# Allegro board BeagleBone_Green_Wireless_V1.0.brd (continued)
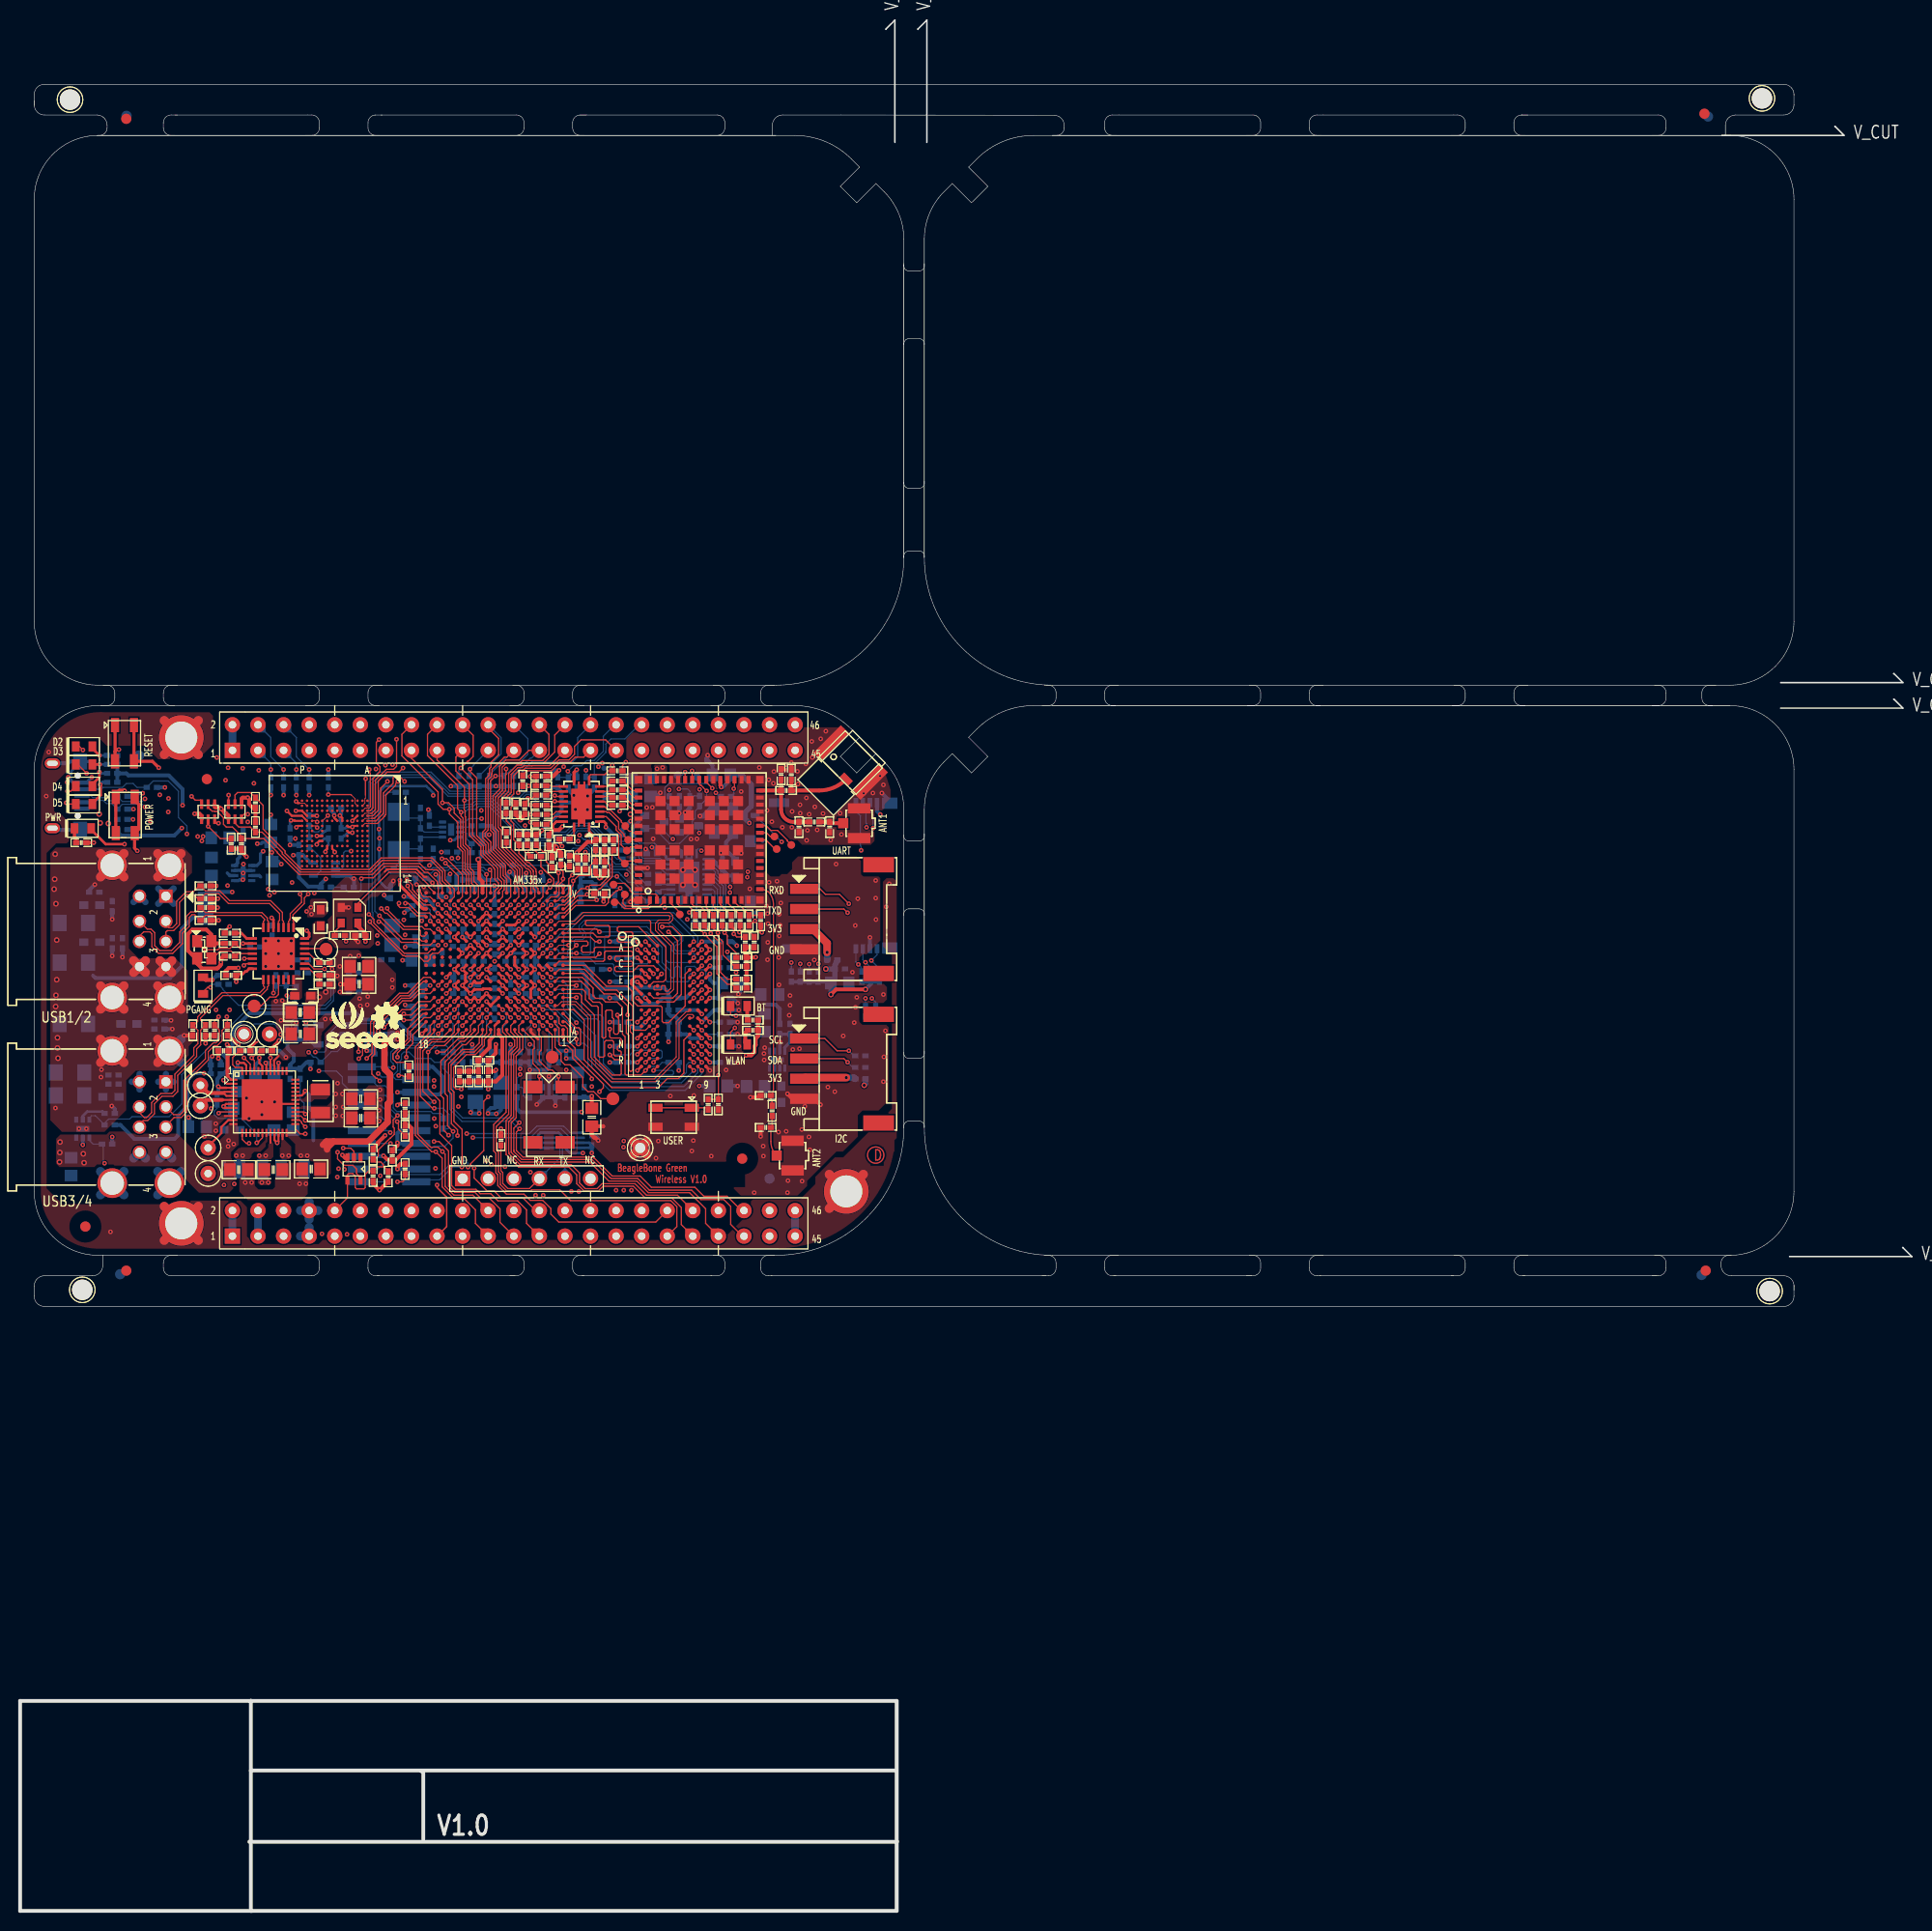
[diagram p0: board, top side]
## Copper pours and planes (outline as drawn; the poured copper is in the pictures) (continued)
DGND on BOTTOM: 10.34,109.63 11.07,109.63 11.35,109.35 11.89,109.35 12.37,109.83 12.37,110.26 13.03,110.92 13.06,110.92 13.21,111.07 13.21,111.91 13.31,112.01 14.33,112.01 15.34,111 15.34,107.82 14.66,107.14 10.49,107.14 10.34,107.29
DGND on BOTTOM: 24.13,97.21 27.79,97.21 28.14,96.85 28.14,95.05 27.89,94.79 27.89,93.09 27.38,92.58 24.59,92.58 23.99,93.18 23.99,95.08 23.47,95.61 23.47,96.55
DGND on BOTTOM: 8.92,95.94 10.29,95.94 10.92,95.3 14.86,95.3 15.19,94.97 15.19,93.55 14.76,93.12 9.02,93.12 8.41,93.73 8.41,95.43
DGND on BOTTOM: 20.95,81.19 20.95,80.87 21.29,80.54 22.05,80.54 22.35,80.24 22.35,78.51 22.48,78.38 22.48,78.33 23.94,78.33 24.51,78.91 25.53,78.91 25.78,79.16 25.78,79.79 26.54,79.79 26.54,79.54 26.8,79.29 27.43,79.29 27.69,79.54 27.69,81.71 27.66,81.74 27.66,81.79 27.18,82.27 27.18,82.91 27.05,83.03 26.67,83.03 26.16,82.52 26.16,82.02 26.04,81.89 24.87,81.89 24.64,81.66 24.64,80.94 23.88,80.94 23.88,81.66 23.67,81.86 22.86,81.86 22.73,81.74 22.73,80.94 21.97,80.94 21.97,81.58 21.77,81.79 21.03,81.79 20.95,81.71 20.95,81.56 20.96,81.55 20.96,81.2
DGND on BOTTOM: 9.09,82.02 8.97,81.89 8.43,81.89 8.28,82.04 7.95,82.04 7.7,82.3 7.7,83.69 7.85,83.85 8.66,83.85 9.09,83.41
DGND on BOTTOM: 43.33,95.71 43.56,95.48 43.56,94.84 43.31,94.59 43.31,94.21 42.67,94.21 42.67,94.26 42.52,94.41 42.52,94.46 42.29,94.69 42.29,94.72 42.09,94.92 41.68,94.92 41.66,94.95 41.66,95.48 41.91,95.73 41.91,96.39 42.09,96.57 42.09,96.93 42.19,97.03 42.62,97.03 42.72,97.13 42.72,97.89 42.77,97.94 43.21,97.94 43.33,97.82
DGND on BOTTOM: 21.29,105.97 20.22,105.97 20.12,106.07 20.12,108.46 20.14,108.48 19.41,109.22 19.41,109.98 19.81,110.39 22.99,110.39 24.03,109.35 24.03,105.94 23.42,105.33 23.42,104.9 22.4,103.89 22.4,98.91 20.9,97.41 19.86,97.41 19.41,97.87 19.41,100.71 19.58,100.89 21.31,100.89 21.44,101.02 21.44,101.63 21.01,102.06 21.01,102.36 21.13,102.49 21.84,102.49 21.89,102.54 21.89,104.5 22.61,105.21 22.61,106.81 22.38,107.04 21.59,107.04 21.34,106.78 21.34,106.02
DGND on BOTTOM: 60.35,111.35 63.58,111.35 63.7,111.23 63.7,110.11 62.56,108.97 62.56,108.69 62.59,108.66 62.59,108.64 62.43,108.48 61.7,108.48 61.59,108.59 61.59,108.97 60.1,110.46 60.1,111.1
DGND on BOTTOM: 8.33,92.3 16.1,92.3 16.87,91.54 16.87,85.14 15.82,84.1 14.1,84.1 13.74,84.46 13.74,86.89 14.02,87.17 14.02,89.03 13.64,89.41 10.06,89.41 10.01,89.36 8.31,89.36 7.67,89.99 7.67,91.64
DGND on BOTTOM: 32.26,95.81 34.67,95.81 35.56,94.92 35.99,94.92 36.12,94.79 36.12,94.26 35.86,94.01 33.43,94.01 32.97,93.55 32.97,91.03 32.74,90.81 31.7,90.81 31.29,91.21 31.29,94.84
DGND on BOTTOM: 7.39,111.86 4.6,111.86 4.45,112.01 4.45,112.7 5.28,113.54 5.28,114.88 5.54,115.14 7.16,115.14 7.57,114.73 7.57,112.04
DGND on BOTTOM: 2.87,105.74 9.8,105.74 10.52,105.03 10.52,103.45 8.71,101.65 5.77,101.65 4.55,100.43 4.55,84.3 4.29,84.05 4.29,83.59 4.32,83.57 4.32,78.61 4.9,78.03 7.01,78.03 7.14,77.9 7.14,77.55 6.96,77.37 4.14,77.37 4.11,77.39 3.51,77.39 3.1,76.99 3.1,74.22 3.68,73.63 4.34,73.63 4.39,73.69 8.25,73.69 8.79,74.22 8.79,77.06 9.02,77.29 9.88,77.29 10.97,76.2 15.24,76.2 16.08,75.36 16.08,73.13 16.15,73.05 16.15,71.73 15.14,70.71 4.17,70.71 2.54,72.34 2.54,105.41
DGND on BOTTOM: 58.62,73.41 58.06,73.96 58.06,75.62 57.02,76.66 56.59,76.66 56.49,76.76 56.49,78.87 57.39,79.77 57.39,81.09 57,81.48 53.92,81.48 53.16,82.25 53.16,84.58 53.77,84.58 54.1,84.25 55.55,84.25 58.62,81.18 69.14,81.18 69.65,81.69 69.65,82.85 69.55,82.96 69.55,83.34 70.03,83.82 70.03,90.91 70,90.93 70.51,91.44 70.69,91.44 70.69,92.91 70.05,93.55 70.05,96.19 70.13,96.27 70.13,96.65 69.9,96.88 68.33,96.88 68.2,96.75 67.82,96.75 67.22,97.35 67.22,97.55 66.69,98.08 66.31,98.08 64.97,99.42 55.68,99.42 54.56,98.3 53.26,98.3 53.09,98.48 53.09,99.11 53.16,99.19 53.75,99.19 54,99.44 54,99.47 54.03,99.47 54.38,99.82 56.06,99.82 56.16,99.92 57.45,99.92 57.66,100.13 57.66,100.15 57.63,100.18 57.63,100.33 57.81,100.51 58.24,100.51 58.52,100.23 59.74,100.23 59.75,100.24 60.27,100.24 60.44,100.41 61.57,100.41 62.05,99.92 64.47,99.92 64.82,100.28 65.1,100.28 65.25,100.43 65.25,104.22 65.41,104.37 65.66,104.37 65.68,104.34 65.84,104.34 65.96,104.47 65.96,104.98 66.14,105.16 66.78,105.16 66.95,104.98 66.95,104.47 67.16,104.27 67.46,104.27 67.59,104.14 67.59,101.24 67.41,101.07 67.34,101.07 67.31,101.09 67.03,101.09 66.9,100.97 66.9,100.51 66.1,99.71 66.1,99.17 66.29,98.98 66.29,98.96 66.52,98.73 67.49,98.73 68.71,97.51 70.31,97.51 72.5,95.31 72.5,86.41 72.8,86.12 72.8,86.11 72.87,86.03 74.27,86.03 74.57,85.73 74.57,84.94 74.63,84.89 75.16,84.89 75.29,85.01 75.29,85.8 75.36,85.88 75.57,85.88 75.67,85.78 75.67,84.96 75.74,84.89 76.02,84.89 76.1,84.96 76.23,84.96 76.28,85.01 76.28,85.5 76.84,86.06 76.84,87.53 76.68,87.68 76.33,87.68 76.31,87.69 76.14,87.69 75.97,87.86 75.97,90.02 75.64,90.35 74.83,90.35 74.63,90.55 74.63,99.09 74.75,99.21 74.37,99.59 71.98,99.59 71.91,99.67 71.91,101.45 72.64,102.18 72.64,104.19 72.29,104.55 70.46,104.55 70.05,104.14 69.6,104.14 69.39,104.34 69.39,104.44 69.06,104.78 69.04,104.78 67.97,105.84 67.97,108.18 67.77,108.38 67.34,108.38 67.21,108.51 67.21,109.02 67.54,109.35 67.64,109.35 67.89,109.6 67.89,109.75 67.92,109.75 68.87,110.71 68.86,110.72 68.86,111.33 68.02,112.17 68.02,113.03 67.67,113.39 67.67,117.04 68.83,118.21 78.99,118.21 79.95,117.26 80.01,117.26 80.58,116.69 81.15,116.69 84.61,113.23 85.06,113.69 85.5,113.06 86.1,111.73 86.41,111.1 87.07,108.05 87.07,95.07 87.05,95.05 87.05,80.8 81.46,75.21 79.02,75.21 77.75,73.94 73.74,73.94 73.25,74.42 73.25,77.14 73.71,77.6 77.24,77.6 76.94,77.9 76.94,84 76.66,84.28 75.82,84.28 75.64,84.1 75.64,83.44 75.54,83.34 75.31,83.34 75.23,83.41 75.23,84.15 75.13,84.25 73.84,84.25 72.77,83.19 72.77,80.86 72.64,80.73 71.13,80.73 69.19,78.79 69.19,75.06 67.54,73.41
DGND on LYR2_GND: 87.12,77.83 83.59,69.29 75.06,65.76 7.75,65.76 3.71,67.43 2.03,71.48 2.03,113.39 3.71,117.43 7.75,119.1 75.06,119.1 75.22,119.1 75.39,119.1 78.13,118.62 81.36,117.3 81.92,116.71 81.92,116.43 85.69,112.66 87.1,107.52 87.12,107.16
DGND on LYR3: 3.53,105.64 16.23,105.64 17.07,104.8 17.07,103.12 15.9,101.96 11.58,101.96 10.79,101.17 10.79,95.61 11.76,94.64 15.42,94.64 16.66,93.4 16.66,88.44 17.4,87.71 17.4,84.58 16.28,83.46 11.48,83.46 10.93,82.92 10.93,77.3 11.43,76.81 15.72,76.81 16.15,76.38 16.15,74.78 15.85,74.47 13.31,74.47 12.56,73.72 12.56,71.23 12.14,70.82 4.67,70.82 3,72.49 3,105.08 3.53,105.61
DGND on LYR3: 46.52,101.82 46.74,101.6 47.24,101.6 47.37,101.73 47.37,106.27 46.86,106.78 46.86,108.92 46.2,109.58 45.39,109.58 45.06,109.25 45.06,106.53 46.38,105.21 46.38,104.04 45.82,103.48 45.82,102.29 46.29,101.82
DGND on LYR3: 26.42,84.68 27.81,83.29 27.81,82.91 28.83,81.89 28.83,80.37 27.1,78.64 27.1,77.22 25.91,76.02 25.4,76.02 25.15,76.28 25.15,76.5 24.38,77.27 24,77.27 23.94,77.2 22.59,77.2 19.25,80.54 19.25,82.5 19.79,83.03 22.86,83.03 23.88,84.05 23.88,84.18 24.38,84.68
DGND on LYR3: 68.07,100.99 71.6,97.46 71.6,85.83 70.59,84.81 70.59,83.54 70.36,83.31 69.75,83.31 69.55,83.52 69.29,83.52 69.04,83.26 69.04,81.61 68,80.57 56.97,80.57 56.39,81.15 56.39,81.99 56.52,82.12 57,82.12 57.61,81.51 57.61,81.41 57.96,81.05 66.17,81.05 67.95,82.83 67.95,95.35 63.55,99.75 57.96,99.75 57.61,100.1 57.61,100.33 57.81,100.53 58.39,100.53 58.85,100.99
DGND on LYR3: 78.82,103.63 75.34,107.11 74.4,107.11 72.82,108.69 72.82,116.36 74.55,118.08 81.28,118.08 85.6,113.77 85.6,112.9 85.98,112.52 85.98,109.98 85.73,109.73 85.14,109.73 83.13,107.72 83.13,105.38 81.38,103.63 ; 1 cut-out
DGND on LYR4: 77.42,103.78 72.39,108.81 69.19,108.81 68.58,108.2 62.99,108.2 61.52,109.68 61.52,111.63 58.83,114.33 58.83,116.84 59.05,117.07 77.6,117.07 78.49,117.96 79.81,117.96 81.23,117.27 82.37,116.54 85.12,113.51 85.93,112.19 85.93,109.98 83.36,107.42 83.36,105.36 81.79,103.78
DGND on LYR5_PWR: 32.26,73 39.62,73 40.77,71.86 40.77,69.95 41.02,69.7 61.98,69.7 62.61,70.33 62.61,80.85 62.94,81.18 67.61,81.18 68.94,82.5 68.94,83.06 69.44,83.57 69.44,95.96 68.45,96.95 68.25,96.95 64.77,100.43 61.47,100.43 61.01,99.97 56.46,99.97 55.96,100.48 55.96,105.59 55.42,106.12 54.84,106.12 52.6,108.36 51.31,108.36 49.38,110.29 48.36,110.29 48.01,110.64 48.01,118.14 48.44,118.57 77.72,118.57 77.72,118.21 78.49,117.45 78.74,117.45 78.8,117.51 80.45,117.51 85.6,112.37 85.6,109.22 85.57,109.19 85.57,104.19 85.29,103.91 85.29,93.65 86,92.94 86,85.95 85.62,85.57 85.62,76.56 84.1,75.03 79.83,75.03 78.44,73.63 78.44,67.87 76.96,66.4 25.27,66.4 24.89,66.78 24.89,70.33 25.91,71.35 30.61,71.35
GND_EARTH on TOP: 80.9,74.85 81.74,74.85 86.56,79.68 86.56,94.92 85.67,95.81 85.67,102.24 86.03,102.59 86.72,102.59 87.05,102.26 87.05,76.78 86.82,76.56 86.82,75.46 86.74,75.39 82.76,68.55 75.34,65.84 75.29,65.79 7.77,65.79 3.78,67.38 2.06,71.32 2.06,113.51 4.11,117.64 8.48,119.08 18.8,119.08 19.15,118.72 19.15,115.87 17.68,114.4 13.72,114.4 12.37,115.75 8.61,115.75 7.87,116.48 4.93,116.48 4.83,116.38 4.83,113.39 3.38,111.94 3.38,109.27 3.53,109.12 3.89,109.12 4.85,108.15 4.85,106.27 4.62,106.05 3.58,106.05 2.63,105.09 2.63,71.77 4.19,70.21 15.39,70.21 15.75,70.56 21.87,70.56 22.53,69.9 22.53,67.01 23.29,66.24 29.64,66.24 30.05,66.65 69.72,66.65 72.57,69.49 72.57,70.48 72.76,70.68 77.43,70.68 78.97,72.21 78.97,72.92
GND_EARTH on BOTTOM: 79.3,74.85 81.74,74.85 86.56,79.68 86.56,79.71 86.59,79.68 87.05,79.68 87.05,76.78 86.82,76.56 86.82,75.46 86.74,75.39 82.76,68.55 75.34,65.84 75.29,65.79 7.77,65.79 3.78,67.38 2.06,71.32 2.06,113.51 4.11,117.64 8.48,119.08 18.8,119.08 19.15,118.72 19.15,115.87 17.68,114.4 13.72,114.4 12.37,115.75 8.1,115.75 7.04,114.68 7.04,113.54 6.73,113.23 4.67,113.23 4.32,112.88 4.32,108.94 5.03,108.23 6.55,108.23 6.73,108.05 6.73,106.38 6.4,106.05 2.74,106.05 2.34,105.64 2.34,72.06 4.19,70.21 15.39,70.21 17.27,72.09 18.52,72.09 20.04,70.56 21.87,70.56 22.53,69.9 22.53,67.01 23.29,66.24 26.67,66.24 26.82,66.09 30.05,66.09 30.61,66.65 69.72,66.65 72.57,69.49 72.57,70.48 73.03,70.94 77.29,70.94 78.41,72.06 78.41,73.96
GND_EARTH on LYR3: 79.3,74.85 81.74,74.85 86.56,79.68 86.56,93.9 86.5,93.97 86.5,95.71 85.78,96.43 85.78,105.41 86.18,105.82 86.18,107.16 86.13,107.21 86.13,109.3 86.26,109.42 86.54,109.42 86.82,109.14 86.82,107.31 87.1,107.04 87.1,94.89 87.05,94.84 87.05,76.78 86.82,76.56 86.82,75.46 86.74,75.39 82.76,68.55 75.34,65.84 75.29,65.79 7.77,65.79 3.78,67.38 2.06,71.32 2.06,113.51 4.11,117.64 8.48,119.08 18.8,119.08 19.15,118.72 19.15,115.87 17.68,114.4 13.72,114.4 12.37,115.75 8.1,115.75 8.09,115.74 5.88,115.74 5.18,115.04 5.18,113.74 4.32,112.88 4.32,108.94 5.03,108.23 5.08,108.23 5.05,108.2 5.05,106.48 4.62,106.05 2.74,106.05 2.34,105.64 2.34,72.06 4.19,70.21 15.39,70.21 16.14,70.95 18.1,70.95 19.23,69.82 19.23,67.26 20.24,66.24 29.64,66.24 30.05,66.65 69.72,66.65 72.57,69.49 72.57,70.48 73.03,70.94 77.29,70.94 78.41,72.06 78.41,73.96
GND_EARTH on LYR4: 79.3,74.85 81.74,74.85 86.56,79.68 86.56,95.45 86.22,95.8 86.09,95.8 85.57,96.32 85.57,100.23 85.93,100.58 85.93,109.12 86.13,109.32 86.54,109.32 86.79,109.07 86.79,107.98 87.05,107.72 87.05,76.78 86.82,76.56 86.82,75.46 86.74,75.39 82.76,68.55 75.34,65.84 75.29,65.79 7.77,65.79 3.78,67.38 2.06,71.32 2.06,113.51 4.11,117.64 8.48,119.08 18.8,119.08 19.15,118.72 19.15,115.87 17.68,114.4 13.72,114.4 12.37,115.75 8.1,115.75 7.04,114.68 7.04,113.54 6.73,113.23 4.67,113.23 4.32,112.88 4.32,107.11 3.76,106.55 3.76,106.35 2.79,105.38 2.79,72.82 5.41,70.21 15.39,70.21 15.77,70.59 17.14,70.59 19.81,67.92 20.93,67.92 21.59,67.26 22.53,67.26 22.53,67.01 23.29,66.24 29.64,66.24 30.05,66.65 69.72,66.65 72.57,69.49 72.57,70.48 73.03,70.94 77.29,70.94 78.41,72.06 78.41,73.96
GND_OSC0 on BOTTOM: 39.42,103.91 39.22,104.11 36.02,104.11 35.89,104.24 35.89,110.24 35.81,110.31 35.99,110.49 41.2,110.49 41.68,110.01 41.68,109.93 42.8,108.81 43.08,108.81 43.1,108.79 44.04,108.79 44.45,109.19 46.43,109.19 47.6,108.03 47.6,105.51 46.23,104.14 44.55,104.14 43.9,104.79 43.9,105.42 43.71,105.61 41.78,105.61 41.2,105.03 40.69,105.03 40.46,104.8 40.46,104.42 39.95,103.91 ; 1 cut-out
GND_OSC1 on TOP: 49.66,75.29 49.91,75.03 55.12,75.03 55.37,75.29 55.37,82.91 54.48,83.79 53.72,83.79 52.45,85.06 52.45,86.97 51.56,87.86 50.29,87.86 50.16,87.73 50.16,85.32 49.53,84.68 49.53,83.79 49.66,83.67
VDD_1V8 on TOP: 26.07,84.47 25.6,84.94 25.6,85.09 26.57,86.06 27.64,86.06 28.17,86.59 28.17,87.73 28.3,87.86 28.5,87.86 28.52,87.83 28.68,87.99 29.11,87.99 30.28,89.15 30.81,89.15 30.84,89.18 31.11,89.18 31.34,88.95 31.34,88.42 29.9,86.97 29.9,85.67 29.08,84.86 26.92,84.86 26.53,84.47
VDD_1V8 on BOTTOM: 38.48,98.86 38.53,98.91 38.53,98.96 38.81,99.24 39.19,99.24 39.37,99.06 39.37,98.4 39.8,97.97 41.58,97.97 41.81,97.74 41.81,97.54 41.55,97.28 40.46,97.28 40.41,97.33 37.46,97.33 37.26,97.13 36.17,97.13 35.81,96.77 35.81,95.89 35.71,95.78 34.98,95.78 34.51,96.25 34.51,96.84 34.49,96.85 34.49,97.82 34.82,98.15 35.51,98.15 36.22,98.86
VDD_1V8 on LYR3: 41.68,97.38 37.54,97.38 37.39,97.54 37.39,98.5 37.77,98.88 38.2,98.88 38.73,99.42 40.08,99.42 40.34,99.67 41.4,99.67 41.81,99.26 41.81,97.51
VDD_1V8 on LYR4: 31.29,88.19 31.7,88.6 31.7,90.53 33.2,92.02 34.09,92.02 34.52,92.46 34.52,93.85 36.27,95.61 36.27,96.98 36.08,97.17 34.73,97.17 34.57,97 34.57,95.07 33.2,93.7 31.37,93.7 30.63,92.96 30.63,90.65 30.05,90.07 30.05,88.34 30.2,88.19
VDD_1V8 on LYR4: 47.12,90.27 46.86,90.02 43.05,90.02 42.8,90.27 42.8,93.57 42.55,93.83 41.4,93.83 41.15,94.08 41.15,99.42 41.4,99.67 43.94,99.67 44.2,99.92 44.2,100.38 44.58,100.76 46.53,100.76 47.12,100.18 47.12,94.84 46.74,94.46 46.74,94.21 47.12,93.83
VDD_1V8 on LYR5_PWR: 46.1,79.1 46.1,90.4 46.23,90.53 48.13,90.53 48.26,90.4 48.26,85.57 48.64,85.19 50.29,85.19 50.55,84.94 50.55,79.1 50.29,78.84 46.35,78.84
VDD_1V8_WIFI on BOTTOM: 73,88.6 74.37,88.6 74.7,88.93 74.7,89.64 74.68,89.66 74.68,90.09 74.19,90.58 74.19,97.92 73.41,98.7 72.31,98.7 71.65,99.36 71.65,101.6 72.54,102.49 72.54,103.33 72.31,103.56 70.51,103.56 70.23,103.28 70.23,102.57 70.59,102.21 70.71,102.21 70.97,101.96 70.97,101.19 70.61,100.84 70.61,99.31 72.54,97.38 72.54,95.91 72.8,95.66 72.8,88.8
VDD_3V3_WIFI on TOP: 63.04,113.87 64.06,113.87 64.24,113.69 64.24,112.19 64.08,112.04 63.07,112.04 62.99,112.12 62.99,113.61 62.92,113.69 62.92,113.74
VDD_3V3_WIFI on BOTTOM: 56.77,108.94 56.9,109.07 56.9,110.03 59.06,112.2 59.06,113.73 59.25,113.92 64.24,113.92 64.44,113.72 64.44,113.08 63.25,111.89 60.22,111.89 59.49,111.15 59.49,110.34 60.02,109.8 60.58,109.8 60.99,109.4 60.99,108.86 60.39,108.27 54.9,108.27 54.05,107.42 53.7,107.42 53.44,107.67 53.44,108.15 54.23,108.94
VDD_3V3_WIFI on LYR4: 57.81,110.46 60.32,110.46 61.19,109.6 61.19,109.09 60.66,108.56 60.35,108.56 60.22,108.43 60.22,107.57 61.09,106.71 62.61,106.71 63.37,105.94 63.37,105.41 62.51,104.55 61.29,104.55 57.58,108.25 57.58,110.24
VDD_3V3A on BOTTOM: 42.16,94.36 42.16,94.21 42.42,93.95 43.05,93.95 43.31,93.7 43.31,92.68 42.8,92.68 42.8,93.07 42.42,93.45 41.91,93.45 41.66,93.7 40.49,93.7 40.11,94.08 40.11,95.07 40.18,95.15 41.17,95.15 41.25,95.07 41.25,94.77 41.45,94.56 41.96,94.56
VDD_3V3A on BOTTOM: 49.53,98.15 51.43,98.15 51.69,98.4 51.69,100.3 52.15,100.77 52.15,101.57 51.95,101.78 50.04,101.78 49.89,101.63 49.89,100.79 49.66,100.56 49.66,98.78 49.4,98.53 49.4,98.27
VDD_3V3A on BOTTOM: 43.69,101.57 43.69,100.94 43.31,100.56 43.31,98.4 43.56,98.15 44.7,98.15 44.83,98.27 44.83,98.4 44.45,98.78 44.45,100.69 44.16,100.98 44.16,101.57
VDD_3V3A on BOTTOM: 39.98,96.39 41.63,96.39 41.81,96.57 41.81,96.93 42.04,97.16 42.44,97.16 42.57,97.28 42.57,97.66 42.42,97.82 42.19,97.82 41.76,97.38 41.76,97.31 41.63,97.18 41.48,97.18 41.4,97.1 39.98,97.1 39.85,96.98 39.85,96.52
VDD_3V3A on LYR5_PWR: 22.99,76.81 22.73,77.06 22.73,89.13 24.51,90.91 25.27,90.91 29.84,95.48 29.84,102.34 30.86,103.35 34.8,103.35 35.86,104.42 35.86,110.06 36.22,110.41 42.27,110.41 42.85,109.83 49.35,109.83 51.23,107.95 52.53,107.95 54.58,105.89 55.07,105.89 55.65,105.31 55.65,100.36 55.24,99.95 55.24,99.92 54.99,99.67 51.94,99.67 51.56,99.29 51.56,96.62 50.55,95.61 50.55,94.59 50.29,94.34 43.94,94.34 43.43,93.83 43.43,93.45 43.31,93.32 42.04,93.32 41.78,93.07 41.78,92.43 42.04,92.18 43.31,92.18 43.56,91.92 43.56,91.67 42.55,90.65 42.55,90.02 42.8,89.76 44.2,89.76 44.45,90.02 44.45,90.4 44.58,90.53 45.72,90.53 45.85,90.4 45.85,78.97 46.23,78.59 50.29,78.59 50.55,78.33 50.55,70.71 50.29,70.46 41.27,70.46 41.02,70.71 41.02,76.43 40.64,76.81
VDD_3V3B on BOTTOM: 58.6,111.89 57.68,111.89 57.15,112.42 57.15,114.05 57.48,114.38 58.42,114.38 58.7,114.1 58.7,111.99
VDD_3V3B on BOTTOM: 19.43,107.29 17.37,107.29 17.25,107.16 17.25,104.22 17.48,103.99 20.7,103.99 21.21,104.5 21.21,105.38 20.83,105.77 19.68,105.77 19.56,105.89 19.56,107.16
VDD_3V3B on LYR5_PWR: 20.13,66.4 19.49,67.03 19.49,69.57 17.91,71.16 14.1,71.16 11.56,68.62 5.21,68.62 3.3,70.52 3.3,113.39 4.6,116.53 7.75,117.83 12.19,117.83 12.51,117.51 12.51,115.29 14.1,113.7 17.91,113.7 19.49,115.29 19.49,117.83 20.13,118.47 60.48,118.47 85.65,93.29 85.65,82.25 84.33,80.92 77.6,80.92 75.74,82.78 75.74,94.11 59.77,110.08 43.1,110.08 42.52,110.67 36.09,110.67 35.64,110.21 35.64,104.57 34.8,103.73 30.73,103.73 29.46,102.46 29.46,95.73 25.02,91.29 24.13,91.29 22.48,89.64 22.48,76.94 22.86,76.56 40.45,76.56 40.77,76.24 40.77,70.84 40.45,70.52 27.43,70.52 27.11,70.21 27.11,66.71 26.8,66.4
VDD_5V on TOP: 20.66,78.86 20.66,79.07 18.67,79.07 17.98,78.38 17.98,76.84 18.14,76.68 19.07,76.68 19.75,77.37 19.75,78.11 20.51,78.86
VDD_5V on BOTTOM: 18.06,78.77 19.13,78.77 19.33,78.56 20.17,78.56 20.7,78.03 20.7,77.17 20.22,76.68 18.16,76.68 17.91,76.94 17.91,77.42 17.93,77.44 17.93,78.64
VDD_5V on LYR4: 19.71,78.46 20.09,78.08 20.09,73.94 20.69,73.34 22.9,73.34 24.43,71.81 25.96,71.81 27.14,70.62 27.14,66.51 27.05,66.42 25.37,66.42 24.59,67.21 24.59,67.23 24.16,67.23 23.14,68.25 20.73,68.25 20.6,68.38 20.57,68.38 16.97,71.98 16.97,77.88 17.55,78.46
VDD_CORE on TOP: 28.7,79.22 28.7,78.08 28.96,77.83 32.03,77.83 32.04,77.84 33.19,77.84 33.5,78.16 33.5,84.15 33.1,84.56 33.1,85.92 34.47,87.29 34.47,88.27 34.44,88.29 34.44,88.49 37.33,91.38 37.33,93.14 35.81,94.65 34.25,94.65 33.81,94.21 33.81,91.49 31.61,89.29 31.61,88.56 30.23,87.17 30.23,83.34 31.09,82.47 31.09,80.59 30.48,79.98 28,79.98 27.88,79.87 27.3,79.87 27.3,79.67 28.26,79.67
VDD_CORE on BOTTOM: 37.29,92.74 37.29,90.53 35.89,89.13 34.29,89.13 33.78,89.64 33.4,89.64 33.27,89.76 33.27,93.45 33.53,93.7 35.79,93.7 36.55,92.94 37.08,92.94
VDD_CORE on LYR3: 50.55,90.65 47.37,90.65 47.12,90.91 47.12,92.05 46.74,92.43 43.81,92.43 43.56,92.18 43.56,89.26 43.31,89 34.16,89 33.4,89.76 33.4,93.12 36.68,96.39 40.46,96.39 40.69,96.62 42.8,96.62 43.18,97 44.83,97 46.61,98.78 50.55,98.78 50.8,98.53 50.8,90.91
VDD_CORE on LYR4: 33.15,91.41 34.52,91.41 34.87,91.06 34.87,89.38 34.01,88.52 34.01,86.49 33.25,85.73 33.25,78.59 32.79,78.13 31.37,78.13 30.71,78.79 30.71,83.44 30.28,83.87 30.28,86.69 32.11,88.52 32.11,90.37
VDD_MPU on TOP: 36.73,87.73 37.69,87.73 37.92,87.5 37.92,86.56 37.59,86.23 36.68,86.23 36.45,86.46 36.45,87.45
VDD_MPU on TOP: 26.61,76.87 26.42,76.87 26.42,77.51 27.11,77.51 27.94,76.68 30.23,76.68 30.86,76.05 30.86,73.25 30.48,72.87 29.34,72.87 29.08,73.13 29.08,74.27 28.57,74.78 27.74,74.78 27.3,75.21 27.3,76.17
VDD_MPU on BOTTOM: 27.48,75.44 28.6,75.44 28.85,75.18 28.85,72.97 28.65,72.77 27.58,72.77 27.36,73 27.36,75.31
VDD_MPU on LYR3: 46.86,86.21 46.86,91.92 46.61,92.18 43.94,92.18 43.81,92.05 43.81,88.75 42.67,87.6 37.34,87.6 37.21,87.48 37.21,86.46 37.34,86.33 41.53,86.33 41.91,85.95 46.61,85.95
VDD_PLL on BOTTOM: 44.96,98.65 45.47,98.15 45.59,98.15 46.48,99.03 46.48,99.29 46.1,99.67 46.1,100.56 45.37,101.29 45.37,101.57 44.86,101.57 44.86,100.91 44.96,100.81
VDD_PLL on BOTTOM: 49.91,85.19 49.91,87.86 50.16,88.11 50.16,90.27 49.91,90.53 49.15,90.53 48.89,90.27 48.89,86.33 49.4,85.83 49.4,85.19
VDD_PLL on BOTTOM: 38,97.21 38.48,97.21 38.63,97.05 38.63,96.67 37.82,95.86 37.82,95.43 37.64,95.25 37.64,94.03 38.23,93.45 41.35,93.45 41.63,93.17 42.37,93.17 42.55,92.99 42.55,92.53 42.32,92.3 41.61,92.3 41.45,92.46 38.02,92.46 36.33,94.15 36.33,95.26 36.17,95.43 36.17,96.6 36.25,96.67 37.74,96.67 37.92,96.85 37.92,97.13
VDD_PLL on LYR5_PWR: 42.04,92.56 42.16,92.43 43.81,92.43 44.07,92.68 47.75,92.68 48.51,91.92 48.51,90.27 48.64,90.14 50.29,90.14 50.55,90.4 50.55,93.83 50.29,94.08 44.07,94.08 43.69,93.7 43.69,93.32 43.43,93.07 42.16,93.07 42.04,92.94
VDDS on BOTTOM: 49.28,100.62 49.66,101 49.66,101.7 49.53,101.83 48.21,101.83 47.93,102.11 47.93,102.64 47.78,102.79 47.12,102.79 46.94,102.62 46.94,102.24 46.99,102.18 47.24,102.18 47.5,101.93 47.5,100.89 48.13,100.25 48.13,99.03 47.75,98.65 47.75,98.27 47.88,98.15 48.64,98.15 49.28,98.78
VDDS on BOTTOM: 40,87.73 40.77,87.73 41.02,87.99 41.02,88.75 41.27,89 42.67,89 42.93,89.26 42.93,89.64 43.05,89.76 43.31,89.76 43.43,89.89 43.43,90.53 43.31,90.65 42.67,90.65 41.91,91.41 41.02,91.41 40.77,91.16 40.77,90.4 40.51,90.14 39.88,90.14 39.88,87.86
VDDS on LYR4: 47.62,90.78 47.37,91.03 47.37,93.95 47.12,94.21 47.12,94.46 47.37,94.72 47.37,99.67 47.62,99.92 50.55,99.92 50.8,99.67 50.8,89.38 50.55,89.13 49.4,89.13 49.15,89.38 49.15,90.53 48.89,90.78
VDDS on LYR5_PWR: 44.07,90.02 42.93,90.02 42.8,90.14 42.8,90.53 43.81,91.54 43.81,92.05 44.2,92.43 47.62,92.43 48.26,91.8 48.26,90.91 48.13,90.78 44.45,90.78 44.2,90.53 44.2,90.14
VDDS_DDR on TOP: 23.72,74.37 24.49,74.37 24.74,74.12 24.74,73 24.71,72.97 24.71,72.72 24.97,72.47 24.97,72.31 24.74,72.09 23.83,72.09 23.6,72.31 23.6,74.24
VDDS_DDR on BOTTOM: 19.86,73.61 20.52,73.61 20.68,73.46 20.68,72.69 20.88,72.49 21.46,72.49 22.12,71.83 23.32,71.83 23.55,72.06 23.55,72.39 23.7,72.54 24.94,72.54 25.12,72.36 25.12,71.25 24.69,70.82 20.55,70.82 19.71,71.65 19.71,73.46
VDDS_DDR on LYR3: 61.72,68.2 61.57,68.05 20.17,68.05 19.81,68.4 19.81,73.51 20.07,73.76 28.57,73.76 29.87,72.47 61.14,72.47 61.72,71.88
VDDS_DDR on LYR5_PWR: 50.8,95.48 50.8,90.4 51.05,90.14 51.43,90.14 51.69,89.89 51.69,85.83 50.8,84.94 50.8,71.09 51.05,70.84 61.72,70.84 62.04,71.16 62.04,81 62.36,81.32 66.32,81.32 66.59,81.58 67.49,81.58 68.68,82.78 68.68,83.29 69.11,83.72 69.11,95.81 68.33,96.6 68.05,96.6 64.59,100.05 61.72,100.05 61.4,99.73 55.44,99.73 55.12,99.42 52.07,99.42 51.82,99.16 51.82,96.49
HUB_AVDD on TOP: 30.38,92.33 31.19,92.33 31.39,92.13 31.39,91.31 29.82,89.74 29.82,89.1 29.36,88.65 28.3,88.65 28.14,88.8 28.14,89.94 28.3,90.09 28.3,90.83 28.27,90.86 28.27,91.16 28.47,91.36 29.39,91.36 29.41,91.34 30.02,91.34 30.38,91.69
HUB_AVDD on BOTTOM: 29.84,97.46 29.84,93.19 30.7,92.34 30.7,90.82 30.4,90.53 29.06,90.53 28.22,91.36 28.22,94.72 28.35,94.84 28.35,97.16 28.07,97.43 23.93,97.43 23.22,96.72 23.22,95.43 23.7,94.95 23.7,92.51 22.89,91.69 20.47,91.69 20.32,91.85 20.32,92.94 20.57,93.19 22.17,93.19 22.63,93.65 22.63,94.92 21.79,95.76 21.79,97.56 23.37,99.14 26.29,99.14 27.05,98.37 28.93,98.37
HUB_VBUS on BOTTOM: 7.9,81.71 8.25,81.71 8.69,81.28 8.69,80.26 8.23,79.81 6.27,79.81 5.77,79.3 5.77,78.44 5.64,78.31 5.03,78.31 4.57,78.77 4.57,83.74 4.9,84.07 4.9,99.87 5.31,100.28 6.73,100.28 6.73,100.1 6.91,99.92 6.91,99.47 7.49,98.88 7.49,97.71 6.97,97.19 6.97,95.44 7.52,94.89 7.52,89.54 7.98,89.08 9.83,89.08 10.54,88.37 10.54,87.66 10.34,87.45 8.18,87.45 7.49,86.77 7.49,82.12
P_L1 on TOP: 24.58,76.18 24.58,75.86 24,75.29 23.62,75.29 23.49,75.16 23.49,74.9 23.75,74.65 24.89,74.65 25.15,74.9 25.15,76.24 24.89,76.49
P_L1 on BOTTOM: 23.29,75.44 24.51,75.44 24.79,75.16 24.79,72.92 24.64,72.77 23.42,72.77 23.16,73.03 23.16,75.31
P_L2 on TOP: 26.04,74.65 25.78,74.9 25.78,75.79 25.91,75.92 25.91,76.59 26.04,76.72 26.12,76.72 26.92,75.92 26.92,74.9 26.67,74.65
P_L2 on BOTTOM: 25.45,75.49 26.72,75.49 26.87,75.34 26.87,73.13 26.52,72.77 25.37,72.77 25.15,73 25.15,75.18
P_L3 on TOP: 27.84,80.47 27.3,80.47 27.3,80.68 28.13,80.68 28.7,81.25 28.7,81.97 29.01,82.27 30.76,82.27 30.76,80.98 30.4,80.62 29.21,80.62 28.96,80.37 27.94,80.37
SYS_5V on TOP: 28.96,100.56 30.28,100.56 30.56,100.28 30.56,99.14 30.12,98.7 28.55,98.7 28.5,98.76 28.5,99.64 28.78,99.92 28.78,100.38
SYS_5V on BOTTOM: 24.56,100.51 25.48,100.51 25.78,100.81 25.78,102.97 25.65,103.1 23.75,103.1 23.62,102.97 23.62,102.59 23.49,102.46 22.81,102.46 22.61,102.26 22.61,100.94 22.99,100.56 24.51,100.56
SYS_5V on BOTTOM: 72.92,77.34 72.92,74.07 72.89,74.03 72.9,74.02 72.9,73.38 72.52,73 72.52,72.95 70.54,70.97 70.54,68.61 69.6,67.67 30.56,67.67 30.12,67.23 30.12,66.68 29.62,66.17 27.46,66.17 27.35,66.27 27.35,66.39 27.05,66.69 27.05,70.71 27.76,71.42 28.22,71.42 29.34,72.54 29.34,75.01 28.5,75.84 24.94,75.84 24.28,76.5 24.28,77.93 24.51,78.16 27.86,78.16 28.02,78 28.02,77.98 27.97,77.93 27.97,77.27 28.35,76.89 29.64,76.89 31.19,75.34 31.19,72.92 32.36,71.76 45.39,71.76 45.49,71.86 57.43,71.86 58.29,72.72 68.05,72.72 69.52,74.19 69.52,78.49 71.17,80.14 71.17,80.16 71.5,80.49 73.03,80.49 73.28,80.75 76.15,80.75 76.3,80.59 76.3,78.26 76.15,78.11 76.15,78.08 73.66,78.08
SYS_5V on LYR3: 21.84,101.8 25.02,101.8 27.15,99.67 28.47,99.67 28.75,99.95 29.03,99.95 29.34,99.64 29.34,98.32 29.21,98.2 26.47,98.2 24.07,100.6 21.78,100.6 21.56,100.81 20.8,100.81 20.12,101.5 20.12,102.29 20.27,102.44 21.21,102.44
SYS_5V on LYR4: 27.91,100.05 29.16,100.05 29.59,99.62 29.59,92.05 28.07,90.53 28.07,86.18 28.03,86.14 28.03,85.28 26.67,83.92 26.67,82.19 26.9,81.97 26.9,78.16 30.76,74.3 30.76,68.76 29.49,67.49 29.49,66.83 29.16,66.5 28.3,66.5 27.53,67.26 27.57,67.3 27.57,70.83 24.74,73.66 24.74,76.12 23.44,77.42 22.02,77.42 19.89,79.55 19.89,81.2 19.41,81.69 19.41,83.16 21.92,85.67 25.43,85.67 26.24,86.49 26.24,91.01 27.23,92 27.23,93.6 27.51,93.88 27.51,99.64
USB_DC on TOP: 20.83,78.28 21.51,78.28 21.59,78.21 21.59,77.95 21.72,77.83 21.72,76.05 21.34,75.67 21.29,75.67 21.03,75.41 21.03,74.63 21.44,74.22 21.44,72.03 20.75,71.35 17.75,71.35 16.46,72.64 16.46,73.33 15.82,73.96 10.26,73.96 10.19,74.04 9.37,74.04 9.27,74.14 7.62,74.14 7.37,73.89 3.91,73.89 3.58,74.22 3.58,76.71 4,77.13 8.57,77.13 8.86,77.42 10.39,77.42 10.59,77.22 15.62,77.22 17.83,75.01 19.25,75.01 19.79,75.54 19.79,76.56 20.37,77.14 20.37,77.83
USB_DC on BOTTOM: 5.74,77.06 5.82,76.99 5.82,76.25 6.53,75.54 6.65,75.54 6.96,75.23 6.96,74.12 6.83,73.99 6.1,73.99 5.84,74.24 4.24,74.24 4.01,74.02 3.78,74.02 3.56,74.24 3.56,76.66 3.96,77.06
USB_DC on BOTTOM: 20.57,75.67 20.37,75.87 20.37,76.68 20.45,76.76 20.85,76.76 21.11,77.01 21.11,78.26 21.31,78.46 21.97,78.46 22.35,78.08 22.35,76.68 22.22,76.56 22.22,76.05 21.84,75.67
USB_DC on BOTTOM: 5.49,109.7 8.36,109.7 8.94,109.12 9.78,109.12 10.03,108.86 10.03,107.29 9.78,107.04 7.87,107.04 7.37,107.54 7.37,107.92 7.11,108.18 7.11,108.25 6.3,109.07 6.3,109.12 6.25,109.12 6.1,109.27 5.51,109.27 5.41,109.37 5.41,109.63
USB_DC on LYR4: 6.86,109.47 8.97,109.47 9.53,108.92 9.53,106.63 8.74,105.84 7.98,105.84 7.04,104.9 7.04,87.38 6.88,87.22 6.88,79.25 5.74,78.11 5.74,77.7 6.78,76.66 6.78,76.63 7.01,76.4 7.01,74.3 6.38,73.66 3.94,73.66 3.4,74.19 3.4,78.87 4.14,79.6 4.14,106.06 4.56,106.48 4.56,107.18
VDCDC1 on TOP: 21.91,75.86 23.62,75.86 24.36,76.59 24.36,77.31 24.56,77.31 24.56,76.41 24.38,76.24 24.38,75.92 23.88,75.41 23.24,75.41 22.99,75.16 22.99,74.9 22.73,74.65 21.46,74.65 21.21,74.9 21.21,75.29 21.72,75.79 21.84,75.79
VDCDC1 on BOTTOM: 22.61,75.13 22.61,73.05 22.38,72.82 21.34,72.82 21.16,73 21.16,73.53 20.75,73.94 19.99,73.94 19.81,74.12 19.81,74.88 20.35,75.41 22.33,75.41
VRTC on LYR3: 49.91,89.76 49.15,89.76 48.89,89.51 48.89,86.72 48.51,86.33 48.51,85.95 48.64,85.83 50.67,85.83 50.8,85.95 50.8,86.33 50.16,86.97 50.16,89.51
VRTC on LYR5_PWR: 48.77,85.45 50.93,85.45 51.43,85.95 51.43,89.76 51.31,89.89 48.64,89.89 48.51,89.76 48.51,85.7
N22732977 on BOTTOM: 75.84,84.1 76.15,84.1 76.23,84.02 76.23,81.76 75.72,81.25 73.41,81.25 73.28,81.38 73.28,83.31 74.04,84.07 74.5,84.07 74.57,84 74.57,83.29 74.63,83.24 74.7,83.24 74.8,83.34 74.8,84 74.88,84.07 75.01,84.07 75.08,84 75.08,83.26 75.21,83.13 75.74,83.13 75.77,83.16 75.77,84.02
N22733304 on BOTTOM: 73.03,88.01 74.55,88.01 74.98,87.58 74.98,86.72 75.13,86.56 75.18,86.56 75.18,85.22 75.06,85.09 74.85,85.09 74.8,85.14 74.8,85.8 74.42,86.18 73.18,86.18 72.9,86.46 72.9,87.88
N22764895 on TOP: 27.05,92.99 27.71,92.99 27.99,92.71 27.99,90.7 27.79,90.5 26.9,90.5 26.82,90.58 26.82,91.29 26.97,91.44 26.97,92.91
N22765441 on TOP: 30.3,96.6 29.62,95.91 27.94,95.91 27.84,96.01 27.84,96.16 27.91,96.24 28.7,96.24 29.01,96.55 29.01,98.02 29.31,98.32 30.25,98.32 30.3,98.27
N22769591 on BOTTOM: 7.7,101.55 9.37,101.55 10.72,102.9 13.28,102.9 14.02,102.16 15.11,102.16 15.13,102.15 15.79,102.15 15.98,101.96 15.98,99.95 15.54,99.52 13.67,99.52 13.21,99.97 13.21,101.09 12.52,101.78 11.33,101.78 9.55,100 8.66,100 8.56,99.9 8.56,99.49 8.38,99.31 7.72,99.31 7.54,99.49 7.54,101.4
N22769632 on BOTTOM: 11.48,99.34 10.9,98.76 10.9,96.67 10.44,96.22 8.69,96.22 8.51,96.04 8.51,95.89 8.38,95.76 7.52,95.76 7.39,95.89 7.39,96.88 7.51,96.99 7.53,96.99 8.25,97.71 9.3,97.71 9.75,98.17 9.75,99.31 9.82,99.38 9.82,99.76 11.48,101.42 12.14,101.42 12.67,100.89 12.67,99.59 12.42,99.34
N22770199 on BOTTOM: 13.31,87 13.31,84.43 14.07,83.67 15.39,83.67 15.65,83.41 15.65,81.66 15.19,81.2 13.34,81.2 12.9,81.64 12.9,82.75 11.05,84.61 11.05,88.39 11.58,88.93 13.56,88.93 13.7,88.79 13.7,87.39
N22770224 on BOTTOM: 12.5,82.73 12.5,81.33 12.12,80.95 11.84,80.95 11.81,80.98 11.43,80.98 10.82,80.37 10.29,80.37 10.26,80.34 9.7,80.34 9.42,80.62 9.42,83.29 9.73,83.59 11.63,83.59
N22868125 on BOTTOM: 21.59,102.97 20.95,102.97 20.32,103.61 17.91,103.61 17.78,103.48 17.78,102.08 17.91,101.96 20.07,101.96 20.83,102.72 21.59,102.72
B_UART0_TX on BOTTOM (solid shape): 54.06,73.78 54.1,73.8 54.14,73.78 54.64,73.28 54.1,72.73 53.56,73.28
TIMER4 on LYR4 (solid shape): 29.24,114.75 28.75,114.26 28.7,114.24 28.65,114.26 28.16,114.75 28.7,115.31

Small or netless copper shapes (teardrops, artwork), in the pictures only: 214 on TOP, 105 on BOTTOM, 61 on LYR3, 19 on LYR4

## Text on the board
Board Geometry/Soldermask Bottom: SMS
Ref Des/Silkscreen Bottom: microSD Card | USB | S/N
Board Geometry/Outline: V_CUT | V1.0
TOP: BeagleBone Green | Wireless V1.0 | D
Board Geometry/Soldermask Top: BeagleBone Green | Wireless V1.0 | SMC
Ref Des/Silkscreen Top: PWR | PGANG | GND | NC | AM335x | RX | TX | USER | WLAN | BT | TXD | 3V3 | SDA | RXD | SCL | UART | I2C | RESET | POWER | ANT2 | ANT1 | USB1/2 | USB3/4 | (OZ) | LAYER 1 - PRIMARY SIDE - SIGNAL | LAYER 2 - GROUND PLANE | LAYER 3 - SIGNAL | LAYER 4 - SIGNAL | LAYER 5 - SPLIT POWER PLANE | LAYER 6 - SECONDARY SIDE - SIGNAL | LAYER# | COPPER WEIGHT | HALF+PLATING | IMPEDANCE CONTROL | +/- 10% | 50ohm SINGLE ENDED | TRACE WIDTH | TRACE WIDTH / SPACE | 90ohm DIFFERENTIAL | 100ohm DIFFERENTIAL | 1 | 5.25 | 4.75 | 4.5/6.5 | 5.0/7.0 | 3.75/7.25 | 4.00/8.00 | LAYER STACK-UP - ALL DIMENSIONS IN INCHES
DISPLAY_TOP: SPC
DISPLAY_BOTTOM: SPS
DIMENSION: R.250 2X
USER_PART_NUM_TOP: TSLKC
USER_PART_NUM_BOTTOM: BSLKC
User.13: C100 | C73 | C97 | C98 | C99 | C25 | C48 | C46 | C58 | C41 | C66 | C65 | C60 | C70 | C26 | C87 | C45 | C79 | C54 | C44 | C82 | C83 | R49 | C84 | C69 | R158 | C71 | C86 | C85 | C67 | C38 | C78 | C52 | C53 | C51 | R116 | R131 | R140 | R134 | R145 | R113 | R138 | R115 | R112 | R114 | R117 | C134 | R150 | R154 | R155 | R153 | C154 | R151 | R152 | C68 | C43 | C50 | C81 | C56 | C42 | C47 | R17 | C49 | C72 | C88 | C106 | C94 | C63 | C80 | FB1 | C40 | C39 | D2 | D3 | D4 | D5 | USER LEDS | 0 | 1 | 2 | 3 | D1 | RESET | C19 | R10 | R72 | R73 | R74 | R71 | POWER | R9 | R7 | U10 | C1 | TP5 | TP6 | C16 | C3 | R5 | TP7 | TP8 | TP9 | C9 | C12 | P | R119 | R118 | A | R139 | R133 | R128 | R127 | R126 | R125 | R124 | R28 | 14 | 18 | U3 | Y4 | R27 | TP3 | V | TP1 | C96 | 16 | TP2 | 64 | 17 | 32 | 49 | 33 | R157 | R95 | C61 | R166 | D8 | 46 | 45 | U9 | 19 | R147 | R146 | C117 | C119 | R96 | R99 | C120 | C121 | C116 | C118 | FB7 | C151 | C114 | C115 | C122 | FB8 | R98 | C123 | R100 | C124 | R97 | C109 | C110 | C112 | C113 | C107 | C108 | C111 | R22 | C28 | U15 | FB2 | U6 | FB3 | C64 | C77 | R14 | C24 | C30 | L3 | U7 | C135 | C136 | R103 | C14 | C8 | L2 | R108 | R156 | R159 | C126 | C133 | C132 | C131 | C13 | FB4 | C7 | L1 | R144 | R129 | R123 | R122 | R121 | R120 | U4 | C137 | C140 | C138 | C139 | C141 | R137 | R11 | C17 | 5 | R135 | C2 | R12 | R132 | R130 | C | E | G | J | L | N | R | 7 | 9 | PWR | TP4 | R8 | Q2 | Q1 | C18 | R3 | R4 | C11 | C37 | C55 | U16 | C29 | R50 | R24 | R23 | R25 | C32 | C165 | C31 | C57 | R29 | C33 | C27 | R81 | R80 | R84 | C93 | R45 | R48 | R82 | R46 | R47 | R165 | R83 | C168 | C166 | R85 | C167 | C157 | R86 | R87 | R88 | R89 | R90 | R91 | C169 | C156 | C160 | C163 | R92 | R93 | R94 | R75 | C173 | C153 | R52 | C35 | C171 | R53 | C76 | C149 | R148 | R149 | C150 | C148 | C147 | C146 | R70 | R69 | R68 | R67 | C145 | C144 | R66 | R65 | R64 | R63 | C172 | C155 | FB5 | C75 | R62 | C95 | C103 | R61 | R101 | R60 | C170 | C102 | R105 | R58 | C162 | R30 | R102 | C101 | R57 | C161 | C22 | R110 | R54 | R59 | R106 | C74 | C21 | R26 | R109 | R55 | C164 | C104 | R164 | R21 | R56 | C92 | R163 | C105 | C89 | C91 | C90 | C59 | R20 | R19 | R167 | R18 | C158 | R51 | C159 | 20 | R160 | C62 | R161 | C125 | C130 | C129 | R162 | R111 | R104 | C128 | C152 | C127 | R107 | C143 | C15 | R142 | R1 | R141 | R143 | R6 | C4 | C10 | C142 | R77 | C36 | R76 | R79 | R78 | C20 | R136 | DATE | DESIGN ENGR | PROJECT ENGR | ENGR MGR | NEXT ASSEMBLY | APPROVED | CHECKED | DRAFTING | ENGR | 1 OF 1 | USB | S1 | P1 | P5 | U13 | U2 | U14 | Y3 | U5 | J1 | Y1 | AM335x | C34 | U11 | U12 | RT1 | D7 | D6 | S2 | P3 | P8 | P9 | USB Host | HDMI | P6 | P10 | U8 | S/N | Y2 | P4 | S3 | 10/100 Ethernet | microSD Card | P2 | ASSEMBLY SOLDER SIDE
User.14: NONE
User.27: FIGURE | SIZE | 8.0 | 12.0 | 30.0 | 36.0 | 40.0 | 92.0 | 125.0 | 24.0 | 80.0 | 42.0x20.0 | DRILL CHART: TOP to BOTTOM | ALL UNITS ARE IN MILS | TOLERANCE | +3.0/-3.0 | +0.0/-0.0 | PLATED | NON-PLATED | QTY | 923 | 18 | 34 | 97 | 16 | 8 | 3 | 2 | 4
